# KiCad board q2.kicad_pcb (continued)
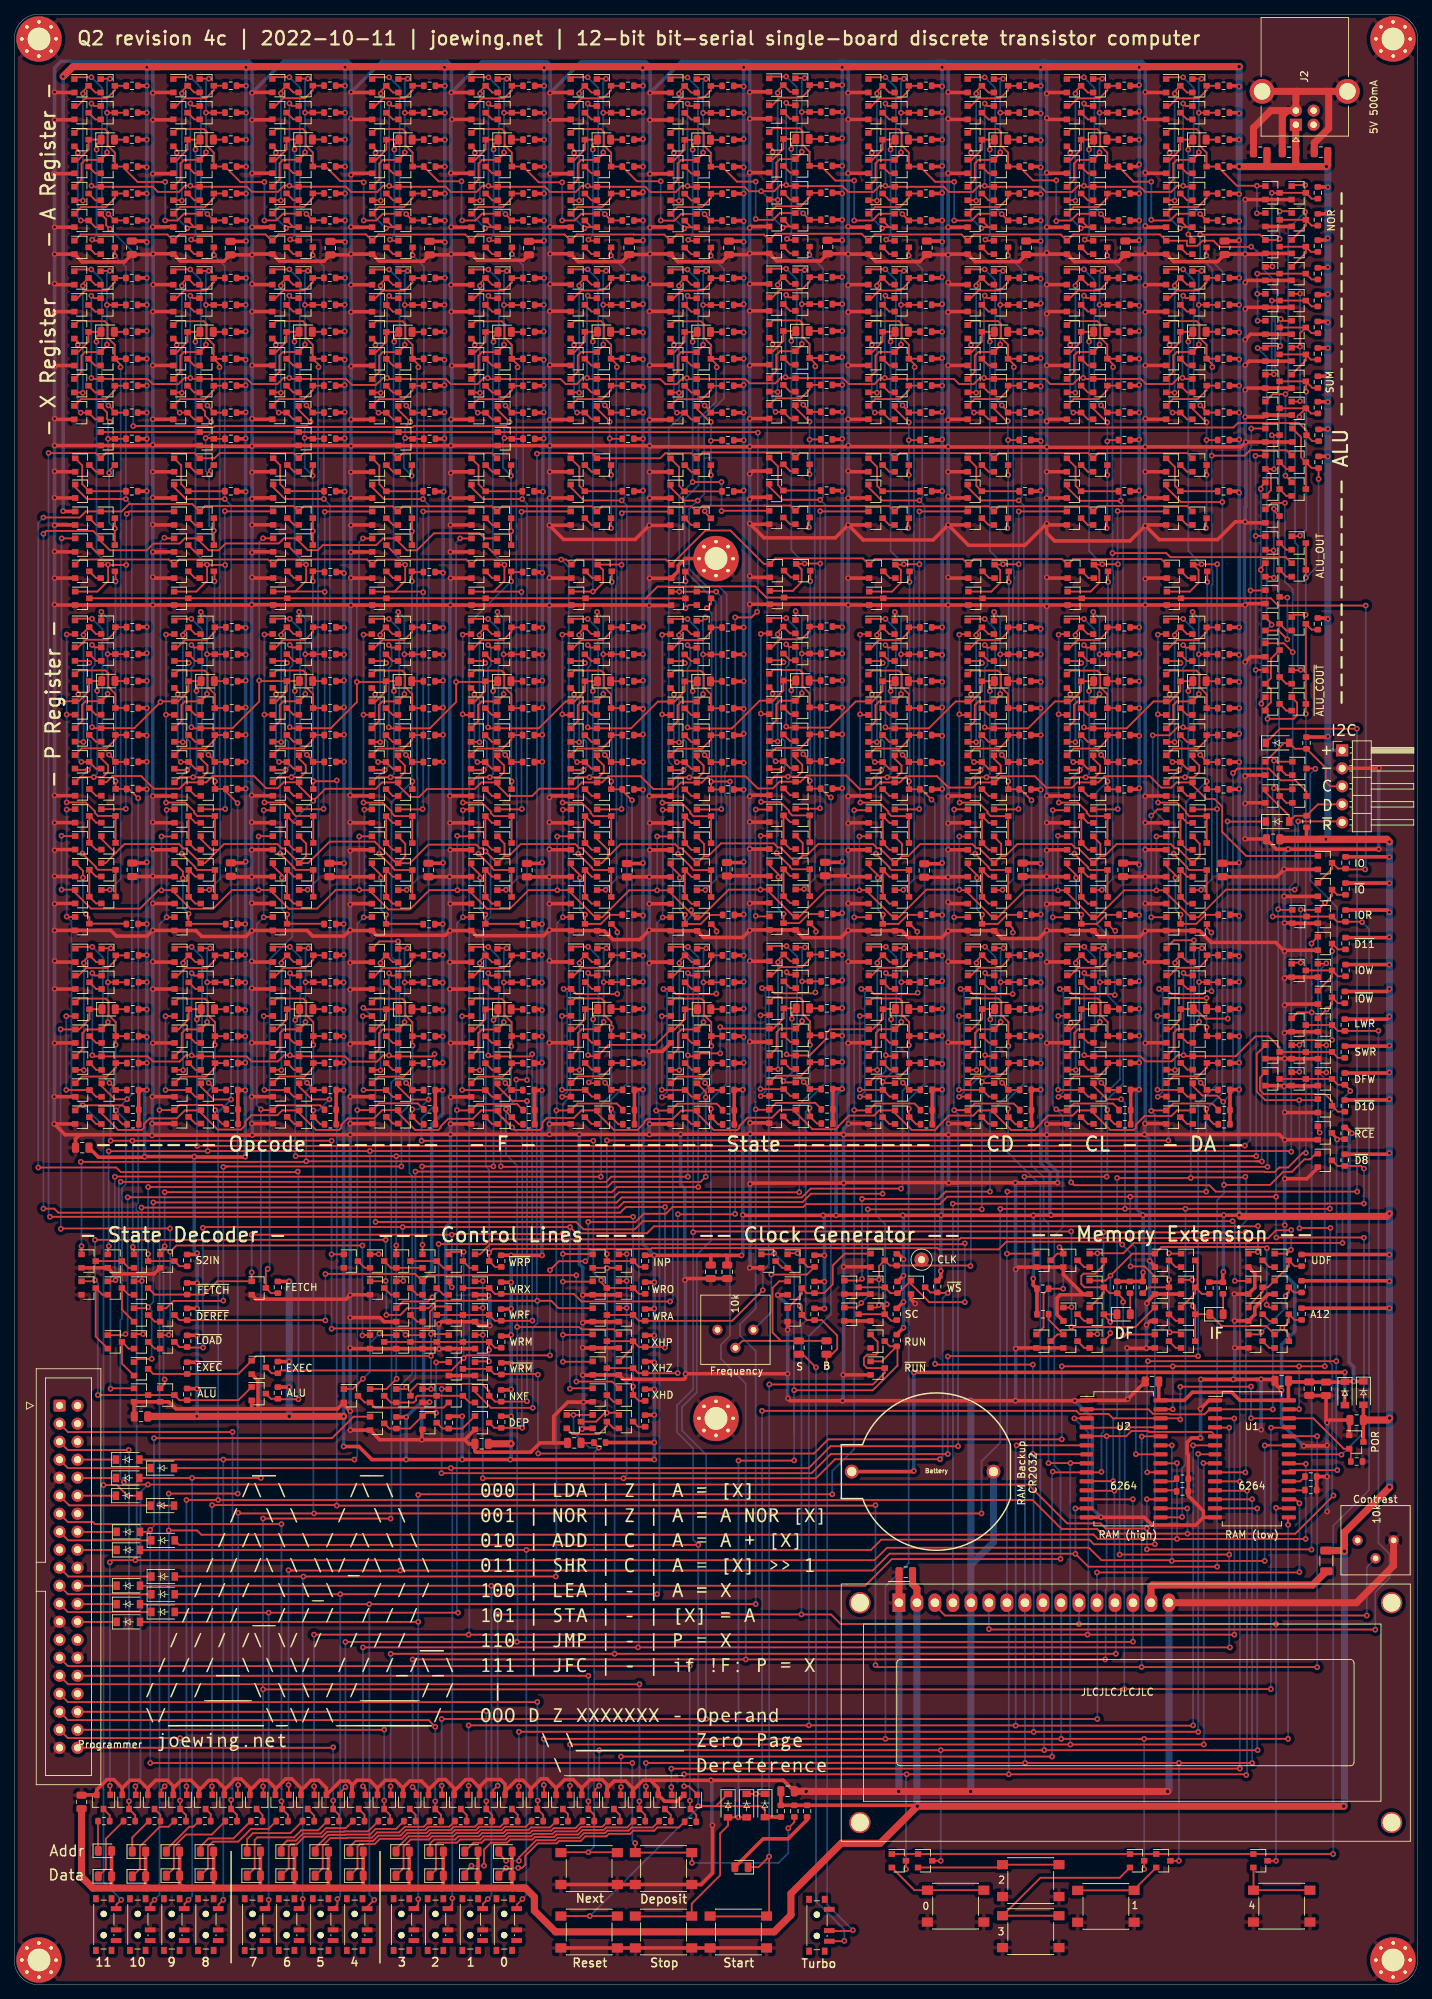
[diagram p0: board, top side]
## Placement (name value [footprint] x y rotation side) (continued)
R458  10k  [R_0603_1608Metric]  168.6 98.3 270 top
R460  1k  [R_0603_1608Metric]  157.4 98.4 270 top
R461  10k  [R_0603_1608Metric]  155.6 98.4 270 top
R462  10k  [R_0603_1608Metric]  145.1 98.2 0 top
R463  10k  [R_0603_1608Metric]  145.1 94.6 0 top
R464  100k  [R_0603_1608Metric]  110.05 24.5 270 top
R466  10k  [R_0603_1608Metric]  68.72 86.92 270 top
RV1  10k  [Potentiometer_Bourns_3386P_Vertical]  99.2 92.4 270 top
RV3  10k  [Potentiometer_Bourns_3386P_Vertical]  189.5 62.7 270 top
SW1  Switch  [TA-3524S-A2]  113.3 8.4 270 top
SW2  Button  [SW_SPST_PTS645]  178.8 11.1 0 top
SW3  Button  [SW_SPST_PTS645]  143.4 7.5 0 top
SW4  Button  [SW_SPST_PTS645]  143.4 14.7 0 top
SW5  Button  [SW_SPST_PTS645]  154 11.07 0 top
SW6  Button  [SW_SPST_PTS645]  132.8 11.1 0 top
SW7  Switch  [TA-3524S-A2]  12.7 8.5 270 top
SW8  Switch  [TA-3524S-A2]  17.5 8.5 270 top
SW9  Switch  [TA-3524S-A2]  22.3 8.5 270 top
SW10  Switch  [TA-3524S-A2]  27.1 8.5 270 top
SW11  Switch  [TA-3524S-A2]  33.7 8.5 270 top
SW12  Switch  [TA-3524S-A2]  38.5 8.5 270 top
SW13  Switch  [TA-3524S-A2]  43.3 8.5 270 top
SW14  Switch  [TA-3524S-A2]  48.1 8.5 270 top
SW15  Switch  [TA-3524S-A2]  54.7 8.5 270 top
SW16  Switch  [TA-3524S-A2]  59.5 8.5 270 top
SW17  Switch  [TA-3524S-A2]  64.4 8.5 270 top
SW18  Switch  [TA-3524S-A2]  69.2 8.5 270 top
SW19  Button  [SW_SPST_PTS645]  102.15 7.45 0 top
SW20  Button  [SW_SPST_PTS645]  91.6 7.45 0 top
SW21  Button  [SW_SPST_PTS645]  81.1 7.45 0 top
SW22  Button  [SW_SPST_PTS645]  81.1 16.4 0 top
SW23  Button  [SW_SPST_PTS645]  91.6 16.4 0 top
TP1  CLK  [TestPoint_Loop_D2.50mm_Drill1.0mm]  128 102.3 0 top
U1  6264  [SOP-28-330]  174.6 74.2 0 top
U2  6264  [SOP-28-330]  156.5 74.2 0 top
U3  CAT809J  [SOT-23]  189.32 76.57 0 top

## Library data of the parts
BT1 = -: LCSC: C964746; Type: PTH
C1-C9 C12 C13 C15-C17 C22 C23 C25 C28 C30-C44 = -: LCSC: C49678; Manufacturer: YAGEO; Package: 0805; Part Number: CC0805KRX7R9BB104; Type: SMD
C10 C14 C18-C21 C26 C29 = -: LCSC: C28323; Manufacturer: Samsung Electro-Mechanics; Package: 0805; Part Number: CL21B105KBFNNNE; Type: SMD
C11 C24 = -: LCSC: C1743; Manufacturer: FH; Package: 0805; Part Number: 0805B471K500NT; Type: SMD
C27 = -: LCSC: C15850; Manufacturer: Samsung Electro-Mechanics; Package: 0805; Part Number: CL21A106KAYNNNE; Type: SMD
D1-D37 D55-D58 D61-D92 D95 D96 = -: LCSC: C2296; Manufacturer: Hubei KENTO Elec; Package: 0805; Part Number: 17-21SUYC/TR8; Type: SMD
D38-D54 D59 D60 D93 D94 = -: LCSC: C19167; Manufacturer: Changjiang Electronics Tech (CJ); Package: SOD-123; Type: SMD
DS1 = -: Type: PTH
J1 = -: LCSC: C9138; Manufacturer: BOOMELE(Boom Precision Elec); Package: 2X20P; Part Number: C9138; Type: PTH
J2 = -: LCSC: C498173
Q1-Q634 Q636-Q1007 Q1009-Q1018 = -: LCSC: C181083; Manufacturer: Guangdong Hottech; Package: SOT-23; Type: SMD
R1 R2 R4 R6 R9-R12 R14 R17 R19 R21 R24 R25 R27 R30-R32 R34 R36 R39-R42 R44 R47 R49 R51 R54 R55 R57 R60-R62 R64 R66 R69-R72 R74 R77 R79 R81 R84 R85 R87 R90-R92 R94 R96 R99-R102 R104 R107 R109 R111 R114 R115 R117 R120-R122 R124 R126 R129-R132 R134 R137 R139 R141 R144 R145 R147 R150-R152 R154 R156 R159 R161 R163 R166-R169 R171 R174 R175 R177 R180-R182 R184 R186 R189 R191 R193 R196-R199 R201 R204 R205 R207 R210-R212 R214 R216 R219 R221 R223 R226-R229 R231 R234 R235 R237 R240-R242 R244 R246 R249 R251 R253 R256-R259 R261 R264 R265 R267 R270-R273 R278 R280 R281 R287-R296 R298-R300 R303 R307 R309 R313 R314 R317-R320 R324-R337 R339 R341 R344 R346 R348 R351-R354 R356 R359 R360 R362 R365-R370 R372 R374 R377 R379 R381 R384-R387 R389 R392 R393 R395 R398-R400 R402 R404 R407 R409 R411 R414-R417 R419 R422 R423 R425 R428 R453-R456 R458 R461-R463 R466 = -: LCSC: C25804; Manufacturer: UNI-ROYAL(Uniroyal Elec); Package: 0603; Part Number: 0603WAF1002T5E; Type: SMD
R3 R18 R33 R48 R63 R78 R93 R108 R123 R138 R153 R160 R183 R190 R213 R220 R243 R250 R282-R286 R312 R338 R345 R371 R378 R401 R408 R464 = -: LCSC: C25803; Manufacturer: UNI-ROYAL(Uniroyal Elec); Package: 0603; Part Number: 0603WAF1003T5E; Type: SMD
R5 R13 R20 R26 R35 R43 R50 R56 R65 R73 R80 R86 R95 R103 R110 R116 R125 R133 R140 R146 R155 R162 R170 R176 R185 R192 R200 R206 R215 R222 R230 R236 R245 R252 R260 R266 R340 R347 R355 R361 R373 R380 R388 R394 R403 R410 R418 R424 = -: LCSC: C23212; Manufacturer: UNI-ROYAL(Uniroyal Elec); Package: 0603; Part Number: 0603WAF6801T5E; Type: SMD
R7 R15 R22 R28 R37 R45 R52 R58 R67 R75 R82 R88 R97 R105 R112 R118 R127 R135 R142 R148 R157 R164 R172 R178 R187 R194 R202 R208 R217 R224 R232 R238 R247 R254 R262 R268 R342 R349 R357 R363 R375 R382 R390 R396 R405 R412 R420 R426 = -: LCSC: C31850; Manufacturer: UNI-ROYAL(Uniroyal Elec); Package: 0603; Part Number: 0603WAF2202T5E; Type: SMD
R8 R16 R23 R29 R38 R46 R53 R59 R68 R76 R83 R89 R98 R106 R113 R119 R128 R136 R143 R149 R158 R165 R173 R179 R188 R195 R203 R209 R218 R225 R233 R239 R248 R255 R263 R269 R279 R297 R304 R311 R315 R321 R322 R343 R350 R358 R364 R376 R383 R391 R397 R406 R413 R421 R427 R429-R452 R457 R460 = -: LCSC: C21190; Manufacturer: UNI-ROYAL(Uniroyal Elec); Package: 0603; Part Number: 0603WAF1001T5E; Type: SMD
R274 = -: LCSC: C17901; Manufacturer: UNI-ROYAL(Uniroyal Elec); Package: 1206; Part Number: 1206W4F1000T5E; Type: SMD
R275-R277 R301 R302 R305 R306 R308 R310 R323 = -: LCSC: C23162; Manufacturer: UNI-ROYAL(Uniroyal Elec); Package: 0603; Part Number: 0603WAF4701T5E; Type: SMD
RV1 RV3 = -: LCSC: C116281; Manufacturer: BOURNS; Package: Plugin; Part Number: 3386P-1-103LF; Type: PTH
SW1 SW7-SW18 = -: LCSC: C514017; Manufacturer: Yuandi; Package: 6.6x2.7x2mm; Part Number: TA-3524S-A2; Type: SMD
SW2-SW6 SW19-SW23 = -: LCSC: C620316; Manufacturer: USAKRO; Package: 6x6mm; Part Number: UK-B0228-G5-160-JZ; Type: SMD
U1 U2 = -: LCSC: C261872; Manufacturer: Lyontek Inc.; Package: SOP-28_330mil; Part Number: LY6264SL-70LLI; Type: SMD
U3 = -: LCSC: C328025; Manufacturer: onsemi; Package: SOT-23; Part Number: CAT809JTBI-GT3; Type: SMD

## Footprints (pads in the part's own frame, mm; a bottom-side part is the same pattern mirrored in y, then rotated)
BATTCOM_20MM_PTH
  round 1.948 hole 1.298: 1(11.849,0) 2(-8.148,0)
C_0805_2012Metric
  rrect 1x1.45 smd: 1(-0.95,0) 2(0.95,0)
D_SOD-123
  rect 0.9x1.2 smd: 1(-1.65,0) 2(1.65,0)
IDC-Header_2x20_P2.54mm_Vertical
  rrect 1.7x1.7 hole 1: 1(0,0)
  round 1.7 hole 1: 2(2.54,0) 3(0,-2.54) 4(2.54,-2.54) 5(0,-5.08) 6(2.54,-5.08) 7(0,-7.62) 8(2.54,-7.62) 9(0,-10.16) 10(2.54,-10.16) 11(0,-12.7) 12(2.54,-12.7) 13(0,-15.24) 14(2.54,-15.24) 15(0,-17.78) 16(2.54,-17.78) 17(0,-20.32) 18(2.54,-20.32) 19(0,-22.86) 20(2.54,-22.86) 21(0,-25.4) 22(2.54,-25.4) 23(0,-27.94) 24(2.54,-27.94) 25(0,-30.48) 26(2.54,-30.48) 27(0,-33.02) 28(2.54,-33.02) 29(0,-35.56) 30(2.54,-35.56) 31(0,-38.1) 32(2.54,-38.1) 33(0,-40.64) 34(2.54,-40.64) 35(0,-43.18) 36(2.54,-43.18) 37(0,-45.72) 38(2.54,-45.72) 39(0,-48.26) 40(2.54,-48.26)
LED_0805_2012Metric
  rrect 0.975x1.4 smd: 1(-0.938,0) 2(0.938,0)
MountingHole_3.2mm_M3_Pad_Via
  round 0.8 hole 0.5: 1(-2.4,0) 1(-1.697,1.697) 1(-1.697,-1.697) 1(0,2.4) 1(0,-2.4) 1(1.697,1.697) 1(1.697,-1.697) 1(2.4,0)
  round 6.4 hole 3.2: 1(0,0)
PinHeader_1x05_P2.54mm_Horizontal
  rect 1.7x1.7 hole 1: 1(0,0)
  oval 1.7x1.7 hole 1: 2(0,-2.54) 3(0,-5.08) 4(0,-7.62) 5(0,-10.16)
Potentiometer_Bourns_3386P_Vertical
  round 1.44 hole 0.8: 1(0,0) 2(2.54,2.54) 3(0,5.08)
R_0603_1608Metric
  rrect 0.8x0.95 smd: 1(-0.825,0) 2(0.825,0)
R_1206_3216Metric
  rrect 1.125x1.75 smd: 1(-1.462,0) 2(1.462,0)
SOP-28-330
  rrect 2x0.6 smd: 1(-5.207,8.255) 2(-5.207,6.985) 3(-5.207,5.715) 4(-5.207,4.445) 5(-5.207,3.175) 6(-5.207,1.905) 8(-5.207,-0.635) 9(-5.207,-1.905) 10(-5.207,-3.175) 11(-5.207,-4.445) 12(-5.207,-5.715) 13(-5.207,-6.985) 14(-5.207,-8.255) 15(5.207,-8.255) 16(5.207,-6.985) 17(5.207,-5.715) 18(5.207,-4.445) 19(5.207,-3.175) 20(5.207,-1.905) 21(5.207,-0.635) 22(5.207,0.635) 23(5.207,1.905) 24(5.207,3.175) 25(5.207,4.445) 26(5.207,5.715) 27(5.207,6.985) 28(5.207,8.255)
  rrect 1.8x0.6 smd: 7(-5.207,0.635)
SOT-23
  rect 0.9x0.8 smd: 1(-1,0.95) 2(-1,-0.95) 3(1,0)
SW_SPST_PTS645
  rect 1.55x1.3 smd: 1(-3.98,2.25) 1(3.98,2.25) 2(-3.98,-2.25) 2(3.98,-2.25)
TA-3524S-A2
  rect 1x0.8 smd: (-3.65,1.034) (-3.65,-1.176) (3.65,1.034) (3.65,-1.176)
  round 0.9 hole 0.9 unplated: (-1.5,-0.076) (1.5,-0.076)
  rect 0.7x1.5 smd: 1(-2.25,1.684) 2(0.75,1.684) 3(2.25,1.684)
TestPoint_Loop_D2.50mm_Drill1.0mm
  round 2 hole 1: 1(0,0)
USB_B_OST_USB-B1HSxx_Horizontal
  rect 1.7x1.7 hole 0.92: 1(0,0)
  round 1.7 hole 0.92: 2(0,-2.5) 3(2,-2.5) 4(2,0)
  round 3.5 hole 2.33: 5(4.71,4.77) 5(4.71,-7.27)
WC1602A
  round 3 hole 2.5: (-5.499,0) (-5.499,-31.001) (69.499,-31.001) (69.5,0)
  rect 1.8x2.6 hole 1.2: 1(0,0)
  oval 1.8x2.6 hole 1.2: 2(2.54,0) 3(5.08,0) 4(7.62,0) 5(10.16,0) 6(12.7,0) 7(15.24,0) 8(17.78,0) 9(20.32,0) 10(22.86,0) 11(25.4,0) 12(27.94,0) 13(30.48,0) 14(33.02,0) 15(35.56,0) 16(38.1,0)

## Nets
GND: BT1.2 C1.2 C2.2 C3.2 C4.2 C5.2 C6.2 C7.2 C8.2 C9.2 C12.1 C13.1 C14.1 C15.1 C16.1 C17.2 C18.1 C19.1 C20.1 C21.1 C22.2 C23.2 C24.1 C25.2 C26.1 C27.1 C28.2 C29.1 C30.2 C31.2 C32.2 C33.2 C34.2 C35.2 C36.2 C37.2 C38.2 C39.2 C40.2 C41.2 C42.2 C43.2 C44.1 DS1.1 DS1.5 DS1.16 H1.1 H2.1 H3.1 H4.1 H5.1 H6.1 J1.6 J1.9 J1.14 J1.20 J1.25 J1.30 J1.34 J1.39 J2.4 J2.5 J3.2 Q2.2 Q4.2 Q7.2 Q8.2 Q12.2 Q15.2 Q17.2 Q21.2 Q22.2 Q23.2 Q24.2 Q25.2 Q26.2 Q29.2 Q30.2 Q34.2 Q37.2 Q39.2 Q44.2 Q45.2 Q46.2 Q47.2 Q48.2 Q62.2 Q63.2 Q67.2 Q70.2 Q72.2 Q74.2 Q77.2 Q78.2 Q82.2 Q85.2 Q87.2 Q91.2 Q92.2 Q93.2 Q94.2 Q95.2 Q96.2 Q99.2 Q100.2 Q104.2 Q107.2 Q109.2 Q114.2 Q115.2 Q116.2 Q117.2 Q118.2 Q132.2 Q133.2 Q137.2 Q140.2 Q142.2 Q144.2 Q147.2 Q148.2 Q152.2 Q155.2 Q157.2 Q161.2 Q162.2 Q163.2 Q164.2 Q165.2 Q166.2 Q169.2 Q170.2 Q174.2 Q177.2 Q179.2 Q184.2 Q185.2 Q186.2 Q187.2 Q188.2 Q202.2 Q203.2 Q207.2 Q210.2 Q212.2 Q214.2 Q217.2 Q218.2 Q222.2 Q225.2 Q227.2 Q231.2 Q232.2 Q233.2 Q234.2 Q235.2 Q236.2 Q239.2 Q240.2 Q244.2 Q247.2 Q249.2 Q254.2 Q255.2 Q256.2 Q257.2 Q258.2 Q272.2 Q273.2 Q277.2 Q280.2 Q282.2 Q284.2 Q287.2 Q288.2 Q292.2 Q295.2 Q297.2 Q301.2 Q302.2 Q303.2 Q304.2 Q305.2 Q306.2 Q309.2 Q310.2 Q314.2 Q317.2 Q319.2 Q324.2 Q325.2 Q326.2 Q327.2 Q328.2 Q342.2 Q343.2 Q347.2 Q350.2 Q352.2 Q353.2 Q355.2 Q358.2 Q359.2 Q363.2 Q366.2 Q368.2 Q373.2 Q374.2 Q375.2 Q376.2 Q377.2 Q392.2 Q393.2 Q394.2 Q395.2 Q396.2 Q399.2 Q400.2 Q404.2 Q407.2 Q410.2 Q411.2 Q420.2 Q421.2 Q423.2 Q426.2 Q427.2 Q431.2 Q434.2 Q436.2 Q441.2 Q442.2 Q443.2 Q444.2 Q445.2 Q460.2 Q461.2 Q462.2 Q463.2 Q464.2 Q467.2 Q468.2 Q472.2 Q475.2 Q478.2 Q479.2 Q488.2 Q489.2 Q491.2 Q494.2 Q495.2 Q499.2 Q502.2 Q504.2 Q509.2 Q510.2 Q511.2 Q512.2 Q513.2 Q528.2 Q529.2 Q530.2 Q531.2 Q532.2 Q535.2 Q536.2 Q540.2 Q543.2 Q546.2 Q547.2 Q556.2 Q557.2 Q559.2 Q562.2 Q563.2 Q567.2 Q570.2 Q572.2 Q577.2 Q578.2 Q579.2 Q580.2 Q581.2 Q596.2 Q597.2 Q598.2 Q599.2 Q600.2 Q603.2 Q604.2 Q608.2 Q611.2 Q614.2 Q615.2 Q623.2 Q624.2 Q626.2 Q627.2 Q628.2 Q629.2 Q630.2 Q631.2 Q632.2 Q633.2 Q634.2 Q636.2 Q637.2 Q638.2 Q639.2 Q640.2 Q641.2 Q642.2 Q643.2 Q644.2 Q645.2 Q646.2 Q647.2 Q648.2 Q649.2 Q650.2 Q651.2 Q652.2 Q653.2 Q656.2 Q663.2 Q664.2 Q666.2 Q667.2 Q668.2 Q669.2 Q670.2 Q671.2 Q672.2 Q673.2 Q674.2 Q679.2 Q684.2 Q685.2 Q686.2 Q687.2 Q689.2 Q691.2 Q692.2 Q693.2 Q694.2 Q695.2 Q696.2 Q697.2 Q698.2 Q702.2 Q703.2 Q704.2 Q705.2 Q706.2 Q707.2 Q708.2 Q713.2 Q714.2 Q715.2 Q716.2 Q718.2 Q719.2 Q720.2 Q721.2 Q722.2 Q723.2 Q724.2 Q725.2 Q726.2 Q727.2 Q728.2 Q729.2 Q730.2 Q731.2 Q732.2 Q733.2 Q734.2 Q735.2 Q736.2 Q744.2 Q752.2 Q753.2 Q754.2 Q755.2 Q757.2 Q758.2 Q760.2 Q763.2 Q764.2 Q768.2 Q771.2 Q773.2 Q778.2 Q779.2 Q780.2 Q781.2 Q782.2 Q797.2 Q798.2 Q799.2 Q800.2 Q801.2 Q804.2 Q805.2 Q809.2 Q812.2 Q815.2 Q816.2 Q824.2 Q831.2 Q833.2 Q835.2 Q836.2 Q838.2 Q841.2 Q842.2 Q846.2 Q849.2 Q851.2 Q856.2 Q857.2 Q858.2 Q859.2 Q860.2 Q875.2 Q876.2 Q877.2 Q878.2 Q879.2 Q882.2 Q883.2 Q887.2 Q890.2 Q893.2 Q894.2 Q903.2 Q904.2 Q906.2 Q909.2 Q910.2 Q914.2 Q917.2 Q919.2 Q924.2 Q925.2 Q926.2 Q927.2 Q928.2 Q943.2 Q944.2 Q945.2 Q946.2 Q947.2 Q950.2 Q951.2 Q955.2 Q958.2 Q961.2 Q962.2 Q970.2 Q971.2 Q972.2 Q973.2 Q974.2 Q975.2 Q976.2 Q977.2 Q978.2 Q979.2 Q980.2 Q981.2 Q982.2 Q983.2 Q984.2 Q985.2 Q986.2 Q987.2 Q988.2 Q989.2 Q990.2 Q991.2 Q992.2 Q993.2 Q995.2 Q999.2 Q1000.2 Q1001.2 Q1003.2 Q1004.2 Q1005.2 Q1006.2 Q1009.2 Q1012.2 Q1014.2 Q1015.2 Q1016.2 Q1017.2 Q1018.2 R282.1 R283.1 R284.1 R285.1 R286.1 RV3.3 SW2.2 SW3.2 SW4.2 SW5.2 SW6.2 SW7.2 SW8.2 SW9.2 SW10.2 SW11.2 SW12.2 SW13.2 SW14.2 SW15.2 SW16.2 SW17.2 SW18.2 SW19.2 SW20.2 SW21.2 SW22.2 SW23.2 U1.1 U1.14 U2.1 U2.14 U3.1
VCC: C1.1 C2.1 C3.1 C4.1 C5.1 C6.1 C7.1 C8.1 C9.1 C15.2 C17.1 C18.2 C19.2 C20.2 C21.2 C22.1 C23.1 C24.2 C25.1 C26.2 C27.2 C28.1 C29.2 C30.1 C31.1 C32.1 C33.1 C34.1 C35.1 C36.1 C37.1 C38.1 C39.1 C40.1 C41.1 C42.1 C43.1 D38.2 D69.2 D70.2 D71.2 D72.2 D73.2 D74.2 D75.2 D76.2 D77.2 D78.2 D79.2 D80.2 D81.2 D82.2 D83.2 D84.2 D85.2 D86.2 D87.2 D88.2 D89.2 D90.2 D91.2 D92.2 DS1.2 J2.1 J3.1 Q23.1 R1.1 R2.1 R3.1 R4.1 R5.1 R6.1 R7.1 R8.1 R9.1 R10.1 R11.1 R12.1 R13.1 R14.1 R15.1 R16.1 R17.1 R18.1 R19.1 R20.1 R21.1 R22.1 R23.1 R24.1 R25.1 R26.1 R27.1 R28.1 R29.1 R30.1 R31.1 R32.1 R33.1 R34.1 R35.1 R36.1 R37.1 R38.1 R39.1 R40.1 R41.1 R42.1 R43.1 R44.1 R45.1 R46.1 R47.1 R48.1 R49.1 R50.1 R51.1 R52.1 R53.1 R54.1 R55.1 R56.1 R57.1 R58.1 R59.1 R60.1 R61.1 R62.1 R63.1 R64.1 R65.1 R66.1 R67.1 R68.1 R69.1 R70.1 R71.1 R72.1 R73.1 R74.1 R75.1 R76.1 R77.1 R78.1 R79.1 R80.1 R81.1 R82.1 R83.1 R84.1 R85.1 R86.1 R87.1 R88.1 R89.1 R90.1 R91.1 R92.1 R93.1 R94.1 R95.1 R96.1 R97.1 R98.1 R99.1 R100.1 R101.1 R102.1 R103.1 R104.1 R105.1 R106.1 R107.1 R108.1 R109.1 R110.1 R111.1 R112.1 R113.1 R114.1 R115.1 R116.1 R117.1 R118.1 R119.1 R120.1 R121.1 R122.1 R123.1 R124.1 R125.1 R126.1 R127.1 R128.1 R129.1 R130.1 R131.1 R132.1 R133.1 R134.1 R135.1 R136.1 R137.1 R138.1 R139.1 R140.1 R141.1 R142.1 R143.1 R144.1 R145.1 R146.1 R147.1 R148.1 R149.1 R150.1 R151.1 R152.1 R153.1 R154.1 R155.1 R156.1 R157.1 R158.1 R159.1 R160.1 R161.1 R162.1 R163.1 R164.1 R165.1 R166.1 R167.1 R168.1 R169.1 R170.1 R171.1 R172.1 R173.1 R174.1 R175.1 R176.1 R177.1 R178.1 R179.1 R180.1 R181.1 R182.1 R183.1 R184.1 R185.1 R186.1 R187.1 R188.1 R189.1 R190.1 R191.1 R192.1 R193.1 R194.1 R195.1 R196.1 R197.1 R198.1 R199.1 R200.1 R201.1 R202.1 R203.1 R204.1 R205.1 R206.1 R207.1 R208.1 R209.1 R210.1 R211.1 R212.1 R213.1 R214.1 R215.1 R216.1 R217.1 R218.1 R219.1 R220.1 R221.1 R222.1 R223.1 R224.1 R225.1 R226.1 R227.1 R228.1 R229.1 R230.1 R231.1 R232.1 R233.1 R234.1 R235.1 R236.1 R237.1 R238.1 R239.1 R240.1 R241.1 R242.1 R243.1 R244.1 R245.1 R246.1 R247.1 R248.1 R249.1 R250.1 R251.1 R252.1 R253.1 R254.1 R255.1 R256.1 R257.1 R258.1 R259.1 R260.1 R261.1 R262.1 R263.1 R264.1 R265.1 R266.1 R267.1 R268.1 R269.1 R270.1 R271.1 R272.1 R273.1 R274.2 R275.1 R276.1 R277.1 R278.1 R279.1 R280.1 R287.1 R288.1 R289.1 R290.1 R291.1 R292.1 R293.1 R294.1 R295.1 R296.1 R297.1 R298.1 R299.1 R300.1 R301.1 R302.1 R303.1 R304.1 R305.1 R306.1 R307.1 R308.1 R309.1 R310.1 R311.1 R312.1 R313.1 R314.1 R315.1 R317.1 R318.1 R319.1 R320.1 R321.1 R322.1 R323.1 R324.1 R325.1 R326.1 R327.1 R328.1 R329.1 R330.1 R331.1 R332.1 R333.1 R334.1 R335.1 R336.1 R337.1 R338.1 R339.1 R340.1 R341.1 R342.1 R343.1 R344.1 R345.1 R346.1 R347.1 R348.1 R349.1 R350.1 R351.1 R352.1 R353.1 R354.1 R355.1 R356.1 R357.1 R358.1 R359.1 R360.1 R361.1 R362.1 R363.1 R364.1 R365.1 R366.2 R367.1 R368.1 R369.1 R370.1 R371.1 R372.1 R373.1 R374.1 R375.1 R376.1 R377.1 R378.1 R379.1 R380.1 R381.1 R382.1 R383.1 R384.1 R385.1 R386.1 R387.1 R388.1 R389.1 R390.1 R391.1 R392.1 R393.1 R394.1 R395.1 R396.1 R397.1 R398.1 R399.1 R400.1 R401.1 R402.1 R403.1 R404.1 R405.1 R406.1 R407.1 R408.1 R409.1 R410.1 R411.1 R412.1 R413.1 R414.1 R415.1 R416.1 R417.1 R418.1 R419.1 R420.1 R421.1 R422.1 R423.1 R424.1 R425.1 R426.1 R427.1 R428.1 R453.2 R454.1 R455.1 R456.1 R457.1 R458.1 R460.1 R461.1 R462.1 R463.1 R464.1 R466.1 U3.3
/ALU/ALU_CARRY: Q735.3 Q736.3 Q738.1 R332.2
/ALU/ALU_NOR: Q720.1 Q727.3 Q728.3 Q732.1 Q735.1 Q741.1 R328.2
/ALU/ALU_SUM: Q725.3 Q726.3 Q742.1 R327.2
/ALU/~{ALU_OUT}: Q737.1 Q740.3 Q741.3 Q742.3 Q743.3 Q744.1 R334.2
/Bit 0/AIN: Q493.3 Q498.1 Q569.1 R215.2
/Bit 0/AL Register/DFF/~{Q}: D33.1 Q558.1 Q562.1 Q566.3
/Bit 0/PL Register/P DFF/CLR: Q573.3 Q574.3 Q589.2 Q592.2
/Bit 0/PL Register/P DFF/Q: Q583.3 Q588.1 R252.2
/Bit 0/PL Register/P DFF/SET: Q575.3 Q576.3 Q584.2 Q585.2
/Bit 0/SL Register/CLR: Q557.3 Q619.2 Q622.2
/Bit 0/SOUT: Q613.3 Q618.1 R266.2
/Bit 0/XL Register/XL DFF/D: Q594.3 Q595.3 Q610.1 R257.2
/Bit 0/~{P}: D34.1 Q518.1 Q519.1 Q572.1 Q584.1 Q588.3 Q591.1
/Bit 0/~{XIN}: D31.1 Q508.1 Q525.1 Q531.1 Q535.1 Q539.3 Q597.1
/Bit 1/AIN: Q501.1 Q762.3 Q767.1 R340.2
/Bit 1/AL Register/DFF/~{Q}: D29.1 Q490.1 Q494.1 Q498.3
/Bit 1/PL Register/P DFF/CLR: Q505.3 Q506.3 Q521.2 Q524.2
/Bit 1/PL Register/P DFF/Q: Q515.3 Q520.1 R222.2
/Bit 1/PL Register/P DFF/SET: Q507.3 Q508.3 Q516.2 Q517.2
/Bit 1/SL Register/CLR: Q489.3 Q551.2 Q554.2
/Bit 1/SOUT: Q545.3 Q550.1 R236.2
/Bit 1/XL Register/XL DFF/D: Q526.3 Q527.3 Q542.1 R227.2
/Bit 1/~{P}: D30.1 Q504.1 Q516.1 Q520.3 Q523.1 Q787.1 Q788.1
/Bit 1/~{XIN}: D57.1 Q529.1 Q777.1 Q794.1 Q800.1 Q804.1 Q808.3
/Bit 2/AIN: Q425.3 Q430.1 Q770.1 R185.2
/Bit 2/AL Register/DFF/~{Q}: D55.1 Q759.1 Q763.1 Q767.3
/Bit 2/PL Register/P DFF/CLR: Q774.3 Q775.3 Q790.2 Q793.2
/Bit 2/PL Register/P DFF/Q: Q784.3 Q789.1 R347.2
/Bit 2/PL Register/P DFF/SET: Q776.3 Q777.3 Q785.2 Q786.2
/Bit 2/SL Register/CLR: Q758.3 Q820.2 Q823.2
/Bit 2/XL Register/XL DFF/D: Q795.3 Q796.3 Q811.1 R352.2
/Bit 2/XOUT: Q775.1 Q803.3 Q808.1 R355.2
/Bit 2/~{P}: D56.1 Q450.1 Q451.1 Q773.1 Q785.1 Q789.3 Q792.1
/Bit 2/~{XIN}: D27.1 Q440.1 Q457.1 Q463.1 Q467.1 Q471.3 Q798.1
/Bit 3/AIN: Q357.3 Q362.1 Q433.1 R155.2
/Bit 3/AL Register/DFF/~{Q}: D25.1 Q422.1 Q426.1 Q430.3
/Bit 3/PL Register/P DFF/CLR: Q437.3 Q438.3 Q453.2 Q456.2
/Bit 3/PL Register/P DFF/Q: Q447.3 Q452.1 R192.2
/Bit 3/PL Register/P DFF/SET: Q439.3 Q440.3 Q448.2 Q449.2
/Bit 3/SL Register/CLR: Q421.3 Q483.2 Q486.2
/Bit 3/XL Register/XL DFF/D: Q458.3 Q459.3 Q474.1 R197.2
/Bit 3/XOUT: Q438.1 Q466.3 Q471.1 R200.2
/Bit 3/~{P}: D26.1 Q382.1 Q383.1 Q436.1 Q448.1 Q452.3 Q455.1
/Bit 3/~{XIN}: D23.1 Q372.1 Q389.1 Q395.1 Q399.1 Q403.3 Q461.1
/Bit 4/AIN: Q365.1 Q840.3 Q845.1 R373.2
/Bit 4/AL Register/DFF/~{Q}: D21.1 Q354.1 Q358.1 Q362.3
/Bit 4/PL Register/P DFF/CLR: Q369.3 Q370.3 Q385.2 Q388.2
/Bit 4/PL Register/P DFF/Q: Q379.3 Q384.1 R162.2
/Bit 4/PL Register/P DFF/SET: Q371.3 Q372.3 Q380.2 Q381.2
/Bit 4/SL Register/CLR: Q353.3 Q415.2 Q418.2
/Bit 4/XL Register/XL DFF/D: Q390.3 Q391.3 Q406.1 R167.2
/Bit 4/XOUT: Q370.1 Q398.3 Q403.1 R170.2
/Bit 4/~{P}: D22.1 Q368.1 Q380.1 Q384.3 Q387.1 Q865.1 Q866.1
/Bit 4/~{XIN}: D63.1 Q393.1 Q855.1 Q872.1 Q878.1 Q882.1 Q886.3
/Bit 5/AIN: Q848.1 Q908.3 Q913.1 R403.2
/Bit 5/AL Register/DFF/~{Q}: D61.1 Q837.1 Q841.1 Q845.3
/Bit 5/PL Register/P DFF/CLR: Q852.3 Q853.3 Q868.2 Q871.2
/Bit 5/PL Register/P DFF/Q: Q862.3 Q867.1 R380.2
/Bit 5/PL Register/P DFF/SET: Q854.3 Q855.3 Q863.2 Q864.2
/Bit 5/SL Register/CLR: Q836.3 Q898.2 Q901.2
/Bit 5/XL Register/XL DFF/D: Q873.3 Q874.3 Q889.1 R385.2
/Bit 5/XOUT: Q853.1 Q881.3 Q886.1 R388.2
/Bit 5/~{P}: D62.1 Q851.1 Q863.1 Q867.3 Q870.1 Q933.1 Q934.1
/Bit 5/~{XIN}: D67.1 Q876.1 Q923.1 Q940.1 Q946.1 Q950.1 Q954.3
/Bit 6/AIN: Q286.3 Q291.1 Q916.1 R125.2
/Bit 6/AL Register/DFF/~{Q}: D65.1 Q905.1 Q909.1 Q913.3
/Bit 6/PL Register/P DFF/CLR: Q920.3 Q921.3 Q936.2 Q939.2
/Bit 6/PL Register/P DFF/Q: Q930.3 Q935.1 R410.2
/Bit 6/PL Register/P DFF/SET: Q922.3 Q923.3 Q931.2 Q932.2
/Bit 6/SL Register/CLR: Q904.3 Q966.2 Q969.2
/Bit 6/XL Register/XL DFF/D: Q941.3 Q942.3 Q957.1 R415.2
/Bit 6/XOUT: Q921.1 Q949.3 Q954.1 R418.2
/Bit 6/~{P}: D66.1 Q333.1 Q334.1 Q919.1 Q931.1 Q935.3 Q938.1
/Bit 6/~{XIN}: D18.1 Q296.1 Q305.1 Q309.1 Q313.3 Q323.1 Q944.1
/Bit 7/AH Register/DFF/~{Q}: D17.1 Q283.1 Q287.1 Q291.3
/Bit 7/AIN: Q216.3 Q221.1 Q294.1 R95.2
/Bit 7/PH Register/P DFF/CLR: Q320.3 Q321.3 Q336.2 Q339.2
/Bit 7/PH Register/P DFF/Q: Q330.3 Q335.1 R140.2
/Bit 7/PH Register/P DFF/SET: Q322.3 Q323.3 Q331.2 Q332.2
/Bit 7/XH Register/X DFF/D: Q297.3 Q298.3 Q299.3 Q300.3 Q316.1 R130.2
/Bit 7/XOUT: Q308.3 Q313.1 Q321.1 R133.2
/Bit 7/~{P}: D19.1 Q263.1 Q264.1 Q302.1 Q319.1 Q331.1 Q335.3 Q338.1
/Bit 7/~{XIN}: D14.1 Q226.1 Q235.1 Q239.1 Q243.3 Q253.1 Q303.1
/Bit 8/AH Register/DFF/~{Q}: D13.1 Q213.1 Q217.1 Q221.3
/Bit 8/AIN: Q146.3 Q151.1 Q224.1 R65.2
/Bit 8/PH Register/P DFF/CLR: Q250.3 Q251.3 Q266.2 Q269.2
/Bit 8/PH Register/P DFF/Q: Q260.3 Q265.1 R110.2
/Bit 8/PH Register/P DFF/SET: Q252.3 Q253.3 Q261.2 Q262.2
/Bit 8/XH Register/X DFF/D: Q227.3 Q228.3 Q229.3 Q230.3 Q246.1 R100.2
/Bit 8/XOUT: Q238.3 Q243.1 Q251.1 R103.2
/Bit 8/~{P}: D15.1 Q193.1 Q194.1 Q232.1 Q249.1 Q261.1 Q265.3 Q268.1
/Bit 8/~{XIN}: D10.1 Q156.1 Q165.1 Q169.1 Q173.3 Q183.1 Q233.1
/Bit 9/AH Register/DFF/~{Q}: D9.1 Q143.1 Q147.1 Q151.3
/Bit 9/PH Register/P DFF/CLR: Q180.3 Q181.3 Q196.2 Q199.2
/Bit 9/PH Register/P DFF/Q: Q190.3 Q195.1 R80.2
/Bit 9/PH Register/P DFF/SET: Q182.3 Q183.3 Q191.2 Q192.2
/Bit 9/XH Register/X DFF/D: Q157.3 Q158.3 Q159.3 Q160.3 Q176.1 R70.2
/Bit 9/XOUT: Q168.3 Q173.1 Q181.1 R73.2
/Bit 10/AH Register/DFF/~{Q}: D5.1 Q73.1 Q77.1 Q81.3
/Bit 10/AIN: Q6.3 Q11.1 Q84.1 R5.2
/Bit 10/AOUT: Q76.3 Q81.1 Q154.1 R35.2
/Bit 10/INCP: D11.1 Q123.1 Q124.1 Q162.1 Q179.1 Q191.1 Q195.3 Q198.1
/Bit 10/PH Register/P DFF/CLR: Q110.3 Q111.3 Q126.2 Q129.2
/Bit 10/PH Register/P DFF/Q: Q120.3 Q125.1 R50.2
/Bit 10/PH Register/P DFF/SET: Q112.3 Q113.3 Q121.2 Q122.2
/Bit 10/XH Register/X DFF/D: Q87.3 Q88.3 Q89.3 Q90.3 Q106.1 R40.2
/Bit 10/XOUT: Q98.3 Q103.1 Q111.1 R43.2
/Bit 10/~{P}: D7.1 Q53.1 Q54.1 Q92.1 Q109.1 Q121.1 Q125.3 Q128.1
/Bit 10/~{XIN}: D2.1 Q16.1 Q25.1 Q29.1 Q33.3 Q43.1 Q93.1
/Bit 10/~{XOUT}: D6.1 Q86.1 Q95.1 Q99.1 Q103.3 Q113.1 Q163.1
/Bit 11/AH Register/DFF/~{Q}: D1.1 Q3.1 Q7.1 Q11.3
/Bit 11/PH Register/P DFF/CLR: Q40.3 Q41.3 Q56.2 Q59.2
/Bit 11/PH Register/P DFF/Q: Q50.3 Q55.1 R20.2
/Bit 11/PH Register/P DFF/SET: Q42.3 Q43.3 Q51.2 Q52.2
/Bit 11/XH Register/X DFF/D: Q17.3 Q18.3 Q19.3 Q20.3 Q36.1 R10.2
/Bit 11/XOUT: Q28.3 Q33.1 Q41.1 R13.2
/Bit 11/~{P}: D3.1 Q22.1 Q39.1 Q51.1 Q55.3 Q58.1
/Control/~{WS}: Q674.3 Q676.1 Q691.1 Q696.1 Q703.1 Q714.1 Q716.1 R308.2
/Memory/~{RAM_CE}: Q636.3 R281.2 U1.20 U2.20
A0: Q561.3 Q566.1 Q719.1 Q727.1 R245.2
ABUS0: Q571.3 Q593.3 Q981.1 R241.2 U1.10 U2.10
ABUS1: Q503.3 Q525.3 Q980.1 R211.2 U1.9 U2.9
ABUS2: Q772.3 Q794.3 Q979.1 R336.2 U1.8 U2.8
ABUS3: Q435.3 Q457.3 Q976.1 R181.2 U1.7 U2.7
ABUS4: Q367.3 Q389.3 Q975.1 R151.2 U1.6 U2.6
ABUS5: Q850.3 Q872.3 Q974.1 R369.2 U1.5 U2.5
ABUS6: Q918.3 Q940.3 Q978.1 R399.2 U1.4 U2.4
ABUS7: Q296.3 Q318.3 Q977.1 R121.2 U1.3 U2.3
ABUS8: Q226.3 Q248.3 Q973.1 R91.2 U1.25 U2.25
ABUS9: Q156.3 Q178.3 Q972.1 R61.2 U1.24 U2.24
ABUS10: Q86.3 Q108.3 Q971.1 R31.2 U1.21 U2.21
ABUS11: Q16.3 Q38.3 Q970.1 R1.2 U1.23 U2.23
ABUS12: Q996.3 Q1007.3 R455.2 U1.2 U2.2
ALU_OUT: Q14.1 Q744.3 R335.2
CDIV: Q632.1 Q814.3 Q819.1 R361.2
CLK: Q627.3 Q629.1 Q631.1 Q817.1 Q818.1 R275.2 TP1.1
DBUS0: DS1.7 Q555.3 Q558.3 Q600.1 Q829.3 Q993.1 Q1017.1 R242.2 U1.11
DBUS1: DS1.8 Q487.3 Q490.3 Q532.1 Q828.3 Q992.1 R212.2 U1.12
DBUS2: DS1.9 Q756.3 Q759.3 Q801.1 Q827.3 Q991.1 R337.2 U1.13
DBUS3: DS1.10 Q419.3 Q422.3 Q464.1 Q826.3 Q990.1 R182.2 U1.15
DBUS4: DS1.11 Q351.3 Q354.3 Q396.1 Q825.3 Q989.1 R152.2 U1.16
DBUS5: DS1.12 Q834.3 Q837.3 Q879.1 Q988.1 R370.2 U1.17
DBUS6: DS1.13 Q902.3 Q905.3 Q947.1 Q987.1 R400.2 U2.11
DBUS7: DS1.14 Q281.3 Q283.3 Q306.1 Q673.1 Q986.1 R122.2 U2.12
DBUS8: Q211.3 Q213.3 Q236.1 Q279.1 Q621.1 Q824.1 Q830.3 Q985.1 R92.2 U2.13
DBUS9: Q141.3 Q143.3 Q166.1 Q209.1 Q553.1 Q832.3 Q984.1 R62.2 U2.15
DBUS10: Q71.3 Q73.3 Q96.1 Q139.1 Q644.1 Q653.1 Q983.1 R32.2 U2.16
DBUS11: Q1.3 Q3.3 Q26.1 Q69.1 Q639.1 Q641.1 Q982.1 R2.2 U2.17
DEP: Q1.1 Q71.1 Q141.1 Q211.1 Q281.1 Q351.1 Q419.1 Q487.1 Q555.1 Q708.3 Q756.1 Q834.1 Q902.1 R320.2
DEREF: Q271.3 Q276.1 Q654.1 R116.2
DF0: Q1004.1 Q1011.3 Q1012.3 Q1013.1 R461.2
DF_WR: Q650.3 Q651.3 Q652.3 Q1010.1 Q1011.1 R295.2
F: Q341.3 Q346.1 Q730.1 Q733.1 Q739.1 Q745.1 R146.2
FIELD_IN0: Q1014.1 Q1018.3 R463.2
I2C_SCL: D60.2 J3.3 Q833.1 R368.2
I2C_SCL_OUT: D32.1 D60.1 Q546.1 Q550.3
I2C_SDA: D59.2 J3.4 Q831.1 R367.2
I2C_SDA_OUT: D36.1 D59.1 Q614.1 Q618.3
I2C_WR: Q548.1 Q549.1 Q616.1 Q617.1 Q644.3 Q645.3 Q646.3 R292.2
INCP: Q586.1 Q587.1 Q675.3 Q676.3 R307.2
IO: Q25.3 Q95.3 Q165.3 Q235.3 Q305.3 Q395.3 Q463.3 Q531.3 Q599.3 Q637.3 Q638.1 Q800.3 Q878.3 Q946.3 R287.2
IO_RD: Q642.3 Q643.3 Q825.1 Q826.1 Q827.1 Q828.1 Q829.1 Q830.1 Q832.1 R291.2
LCD_WR: DS1.6 Q639.3 Q640.3 R289.2
NEXTF: Q349.1 Q677.3 Q678.3 R309.2
O0: Q201.3 Q206.1 Q669.1 Q747.1 Q749.1 Q751.1 R86.2
O1: Q131.3 Q136.1 Q670.1 Q686.1 Q693.1 Q717.1 Q753.1 Q755.1 R56.2
O2: Q61.3 Q66.1 Q665.1 Q702.1 Q718.1 R26.2
S0: Q477.3 Q482.1 Q658.1 Q660.1 R206.2
S1: Q409.3 Q414.1 Q662.1 R176.2
S2: Q666.1 Q671.1 Q892.3 Q897.1 R394.2
S2IN: Q665.3 Q671.3 Q900.1 R303.2
S3: Q667.1 Q960.3 Q965.1 R424.2
SC: Q480.1 Q481.1 Q629.3 Q630.3 R276.2
STATE_ALU: Q19.1 Q89.1 Q159.1 Q229.1 Q299.1 Q390.1 Q458.1 Q526.1 Q594.1 Q668.3 Q795.1 Q873.1 Q941.1 R305.2
